# Altium PCB Monitait.PcbDoc
Units mm, origin at the board's own origin, x right, y up, seen from the top; angles counter-clockwise.
Board outline 150 x 115 mm, 2 copper layers (Top Layer, Bottom Layer); 50 components, 57 nets, 332 pads, 87 vias.
Unrouted connection lines stored in the file: 1.
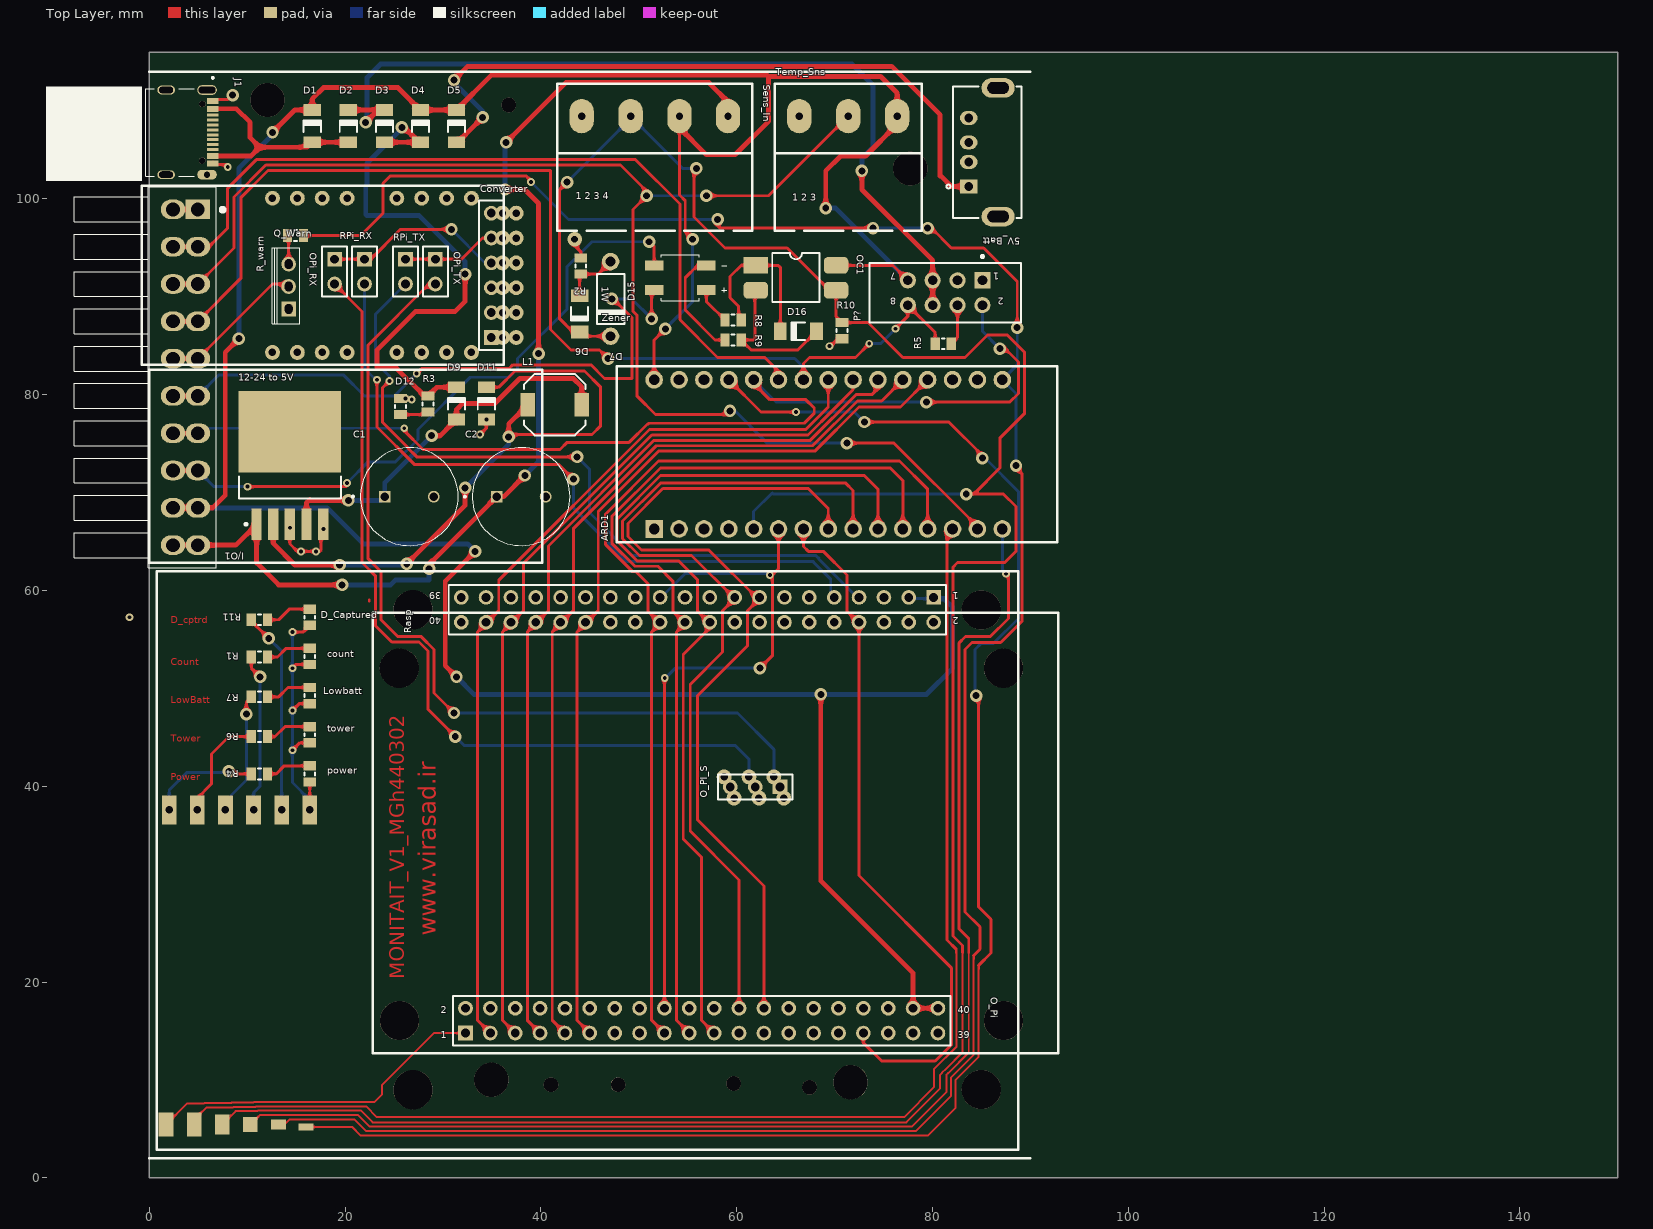
[diagram p0: Top Layer view]
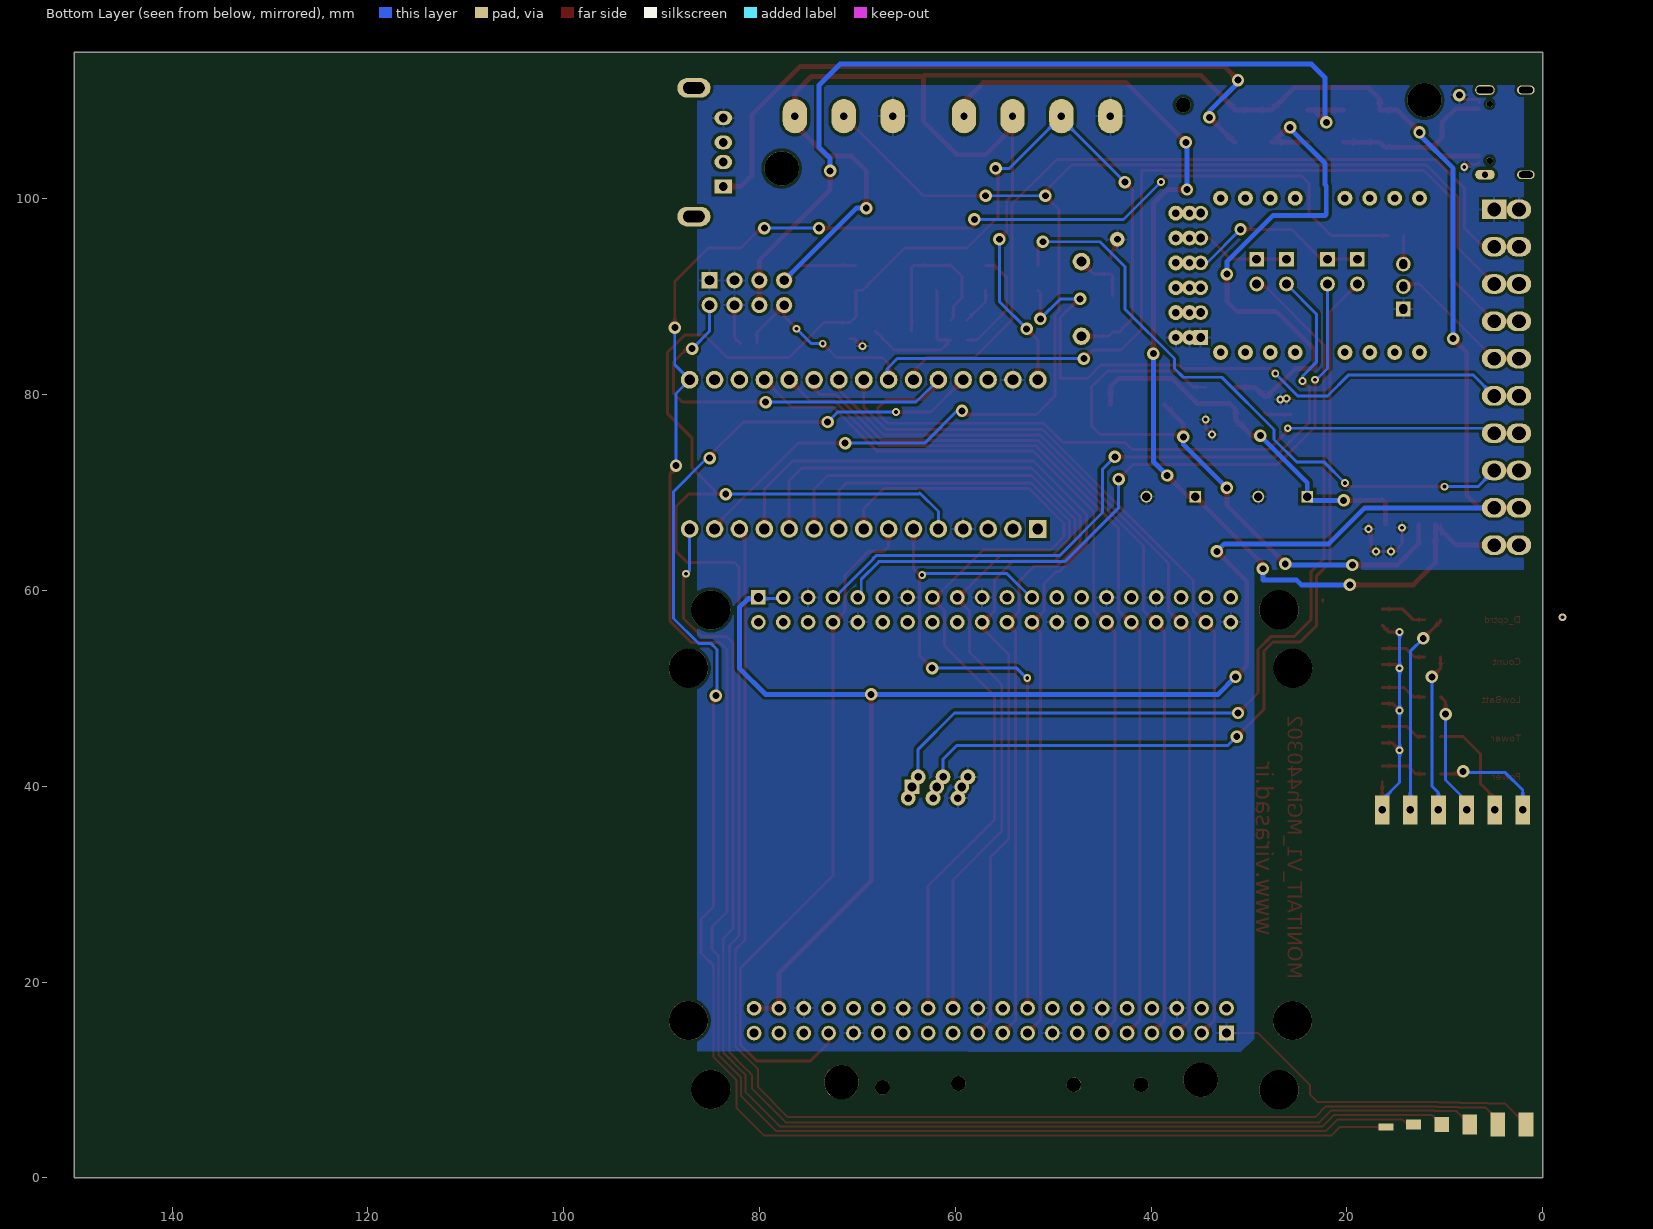
[diagram p1: Bottom Layer view, seen from below]

## Layer stack, top to bottom
Top Solder: solder mask 0.0102, Solder Resist, Dk 3.5
Top Layer: signal copper 0.0356
Dielectric 1: dielectric 0.32, FR-4, Dk 4.8
Bottom Layer: signal copper 0.0356
Bottom Solder: solder mask 0.0102, Solder Resist, Dk 3.5

## Board outline
0,0 150,0 150,115 0,115

## Design rules (kind name [scope] priority, off if disabled: settings)
Clearance [All] p1: gap=0.25
PolygonConnect [All] p1: connectstyle=Relief reliefconductorwidth=0.254 reliefentries=4 polygonreliefangle="90 Angle" airgapwidth=0.254
RoutingVias [All] p1: holewidth=0.4 width=0.8 viastyle="Through Hole" minholewidth=0.4 minwidth=0.8 maxholewidth=0.4 maxwidth=0.8
SolderMaskExpansion [All] p1: expansion=0.102
Width [All] p1: maxlimit=0.5 minlimit=0.2 preferedwidth=0.3
30 further rules are at their usual default settings.

## Components (designator, comment, footprint, x,y, rotation, side; value= is the part's Value field where it differs from the comment)
5V_Batt "CONN_USB_A" USB_A_REC_ST 83.693,104.775 r270 top
"12-24 to 5V" "LM2596S-5.0" TS5B_N 14.351,72.771 r90 top
ARD1 "Nano R3" Arduino_Nano_R3 69.342,73.914 r90 top
C1 "EEUTA1E221" CAPPRD500W60D1000H1250 26.543,69.596 r0 top
C2 "EEUFP1E681" CAPPRD500W60D1000H1600 37.973,69.596 r0 top
Converter "Header 6" HDR1X6 34.925,85.852 r90 top
count "LED3" "RES 0805 (2012X06L)" 16.383,54.101 r270 top
D1 "1N4148" LL4148 16.637,107.442 r90 top
D2 "1N4148" LL4148 20.32,107.442 r90 top
D3 "1N4148" LL4148 24.003,107.442 r90 top
D4 "1N4148" LL4148 27.686,107.442 r90 top
D5 "1N4148" LL4148 31.369,107.442 r90 top
D6 "Diode Zener" "MINI MELF" 43.942,88.265 r270 top
D7 "Diode Zener" "Diode 1W" 47.117,89.789 r270 top
D9 "1N4148" LL4148 31.369,79.121 r90 top
D11 "1N4148" LL4148 34.417,79.121 r90 top
D12 "LED3" "RES 0805 (2012X06L)" 25.654,77.978 r90 top
D15 "MB10F-13" DIOB_MB10F-13 54.229,91.948 r180 top
D16 "Diode Zener" "MINI MELF" 66.294,86.487 r180 top
D_Captured "LED3" "RES 0805 (2012X06L)" 16.383,58.101 r270 top
I/O1 "1862658" PHOENIX_1862658 4.953,98.933 r270 top
J1 "CSP-USC16-TR" VALCON_CSP-USC16-TR 6.477,106.807 r270 top
L1 "B82462G4333M000" B82462G4 41.402,78.994 r0 top
Lowbatt "LED3" "RES 0805 (2012X06L)" 16.383,50.1 r270 top
O_Pi "Header 20X2" HDR2X20 32.289,14.8 r0 top
O_PI_S "Header 3" HDR1X3 64.42,39.946 r180 top
OC1 "PC817C" SOP4 66.04,91.948 r0 top
OPi_RX "68786-202LF" HDR1X2 18.923,93.853 r270 top
OPi_TX "68786-202LF" HDR1X2 29.21,93.853 r270 top
P? "09 18 108 9421" 9181089421 81.28,90.424 r180 top
power "LED3" "RES 0805 (2012X06L)" 16.383,42.099 r270 top
Q_Warn "BD135-37-39" "TO-126 (SOT32) Gold PCB" 14.224,91.059 r90 top
R1 "3K" "RES 0805 (2012X06L)" 12.065,53.213 r180 top
R2 "10K" "RES 0805 (2012X06L)" 44.069,93.98 r270 top
R3 "3K" "RES 0805 (2012X06L)" 28.448,78.232 r90 top
R4 "3K" "RES 0805 (2012X06L)" 12.065,41.275 r180 top
R5 "10K" "RES 0805 (2012X06L)" 81.915,85.217 r180 top
R6 "3K" "RES 0805 (2012X06L)" 12.065,45.085 r180 top
R7 "3K" "RES 0805 (2012X06L)" 12.065,49.149 r180 top
R8 "3K" "RES 0805 (2012X06L)" 58.801,87.63 r0 top
R9 "3K" "RES 0805 (2012X06L)" 58.801,85.598 r0 top
R10 "10K" "RES 0805 (2012X06L)" 70.739,85.725 r90 top
R11 "3K" "RES 0805 (2012X06L)" 12.065,57.023 r180 top
R_warn "1.2K" "RES 0805 (2012X06L)" 15.748,96.266 r180 top
Rasp "Header 20X2" HDR2X20 80.109,59.307 r180 top
RPi_RX "68786-202LF" HDR1X2 21.971,93.853 r270 top
RPi_TX "68786-202LF" HDR1X2 26.162,93.853 r270 top
Sens_In "Phoenix terminal" "phoenix terminal 4" 41.656,96.774 r0 top
Temp_Sns "Phoenix terminal" "phoenix terminal 3" 63.881,96.774 r0 top
tower "LED3" "RES 0805 (2012X06L)" 16.383,46.1 r270 top

## Footprints (in the part's own frame and the unit in brackets; to place one, negate y for a bottom-side part, rotate by r counter-clockwise, add the part's x,y. Pads: shape width x height; smd on the part's side, far side on the other; paste and mask are expansions set on the pad)
9181089421 [mm] "Connector; IDC, PCB Transition - 2 Rows, Thru-Hole; 8 Position; Vertical; Pitch 2.54 mm; Body 15.46 x 6.1 x 7.45 mm (LxWxH), Kinked Contacts"
  rect 1.65x1.65 hole 1: 1(-3.81,-1.27)
  round 1.65 hole 1: 2(-3.81,1.27) 3(-1.27,-1.27) 4(-1.27,1.27) 5(1.27,-1.27) 6(1.27,1.27) 7(3.81,-1.27) 8(3.81,1.27)
  silkscreen extent -7.73,-3.82 7.73,3.05
Arduino_Nano_R3 [mm] "Arduino Nano R3, 30-Leads, Row Spacing 15.24mm, Pitch 2.54mm"
  rect 1.8x1.8 hole 1.1: 1(-7.62,17.78)
  round 1.8 hole 1.1: 2(-7.62,15.24) 3(-7.62,12.7) 4(-7.62,10.16) 5(-7.62,7.62) 6(-7.62,5.08) 7(-7.62,2.54) 8(-7.62,0) 9(-7.62,-2.54) 10(-7.62,-5.08) 11(-7.62,-7.62) 12(-7.62,-10.16) 13(-7.62,-12.7) 14(-7.62,-15.24) 15(-7.62,-17.78) 16(7.62,-17.78) 17(7.62,-15.24) 18(7.62,-12.7) 19(7.62,-10.16) 20(7.62,-7.62) 21(7.62,-5.08) 22(7.62,-2.54) 23(7.62,0) 24(7.62,2.54) 25(7.62,5.08) 26(7.62,7.62) 27(7.62,10.16) 28(7.62,12.7) 29(7.62,15.24) 30(7.62,17.78)
  silkscreen extent -9,-23.4 9,21.6, body extent -9,-23.4 9,21.6, height 12.72
B82462G4 [mm] "SM Inductor; 2 Leads; Body 6.3x6.3mm (LxW)"
  rect 1.5x2.4 smd: 1(-2.75,0) 2(2.75,0)
  silkscreen extent -3.15,-3.15 3.15,3.15, body extent -3.15,-3.15 3.15,3.15, height 3
CAPPRD500W60D1000H1250 [mm]
  round 1.2 hole 0.85: N(2.5,0)
  rect 1.2x1.2 hole 0.85: P(-2.5,0)
  silkscreen extent -5.85,-5 5,5, body extent -5,-5 5,5, height 12.5
CAPPRD500W60D1000H1600 [mm]
  round 1.2 hole 0.85: N(2.5,0)
  rect 1.2x1.2 hole 0.85: P(-2.5,0)
  silkscreen extent -5.85,-5 5,5, body extent -5,-5 5,5, height 16
DIOB_MB10F-13 [mm]
  rect 1.875x1.05 smd: 1(-2.662,1.25) 2(2.662,1.25) 3(-2.662,-1.25) 4(2.662,-1.25)
  silkscreen extent -4.75,-2.36 1.92,2.36
"Diode 1W" [mil]
  round 70 hole 40: 1(-150,0) 2(150,0)
  silkscreen extent -100,-55 100,55, body extent -166,-53 165,53, height 131
HDR1X2 [mm] "Connector; Header; 2 Position"
  rect 1.5x1.5 hole 0.9: 1(0,0)
  round 1.5 hole 0.9: 2(2.54,0)
  silkscreen extent -1.27,-1.27 3.81,1.27
HDR1X3 [mm] "Connector; Header; 3 Position"
  rect 1.5x1.5 hole 0.9: 1(0,0)
  round 1.5 hole 0.9: 2(2.54,0) 3(5.08,0)
  silkscreen extent -1.27,-1.27 6.35,1.27
HDR1X6 [mm] "Connector; Header; 6 Position"
  rect 1.5x1.5 hole 0.9: 1(0,0)
  round 1.5 hole 0.9: 2(2.54,0) 3(5.08,0) 4(7.62,0) 5(10.16,0) 6(12.7,0)
  silkscreen extent -1.27,-1.27 13.97,1.27
HDR2X20 [mm] "Connector; Header; 20x2 Position"
  rect 1.5x1.5 hole 0.9: 1(0,0)
  round 1.5 hole 0.9: 2(0,2.54) 3(2.54,0) 4(2.54,2.54) 5(5.08,0) 6(5.08,2.54) 7(7.62,0) 8(7.62,2.54) 9(10.16,0) 10(10.16,2.54) 11(12.7,0) 12(12.7,2.54) 13(15.24,0) 14(15.24,2.54) 15(17.78,0) 16(17.78,2.54) 17(20.32,0) 18(20.32,2.54) 19(22.86,0) 20(22.86,2.54) 21(25.4,0) 22(25.4,2.54) 23(27.94,0) 24(27.94,2.54) 25(30.48,0) 26(30.48,2.54) 27(33.02,0) 28(33.02,2.54) 29(35.56,0) 30(35.56,2.54) 31(38.1,0) 32(38.1,2.54) 33(40.64,0) 34(40.64,2.54) 35(43.18,0) 36(43.18,2.54) 37(45.72,0) 38(45.72,2.54) 39(48.26,0) 40(48.26,2.54)
  silkscreen extent -1.27,-1.27 49.53,3.81
LL4148 [mm] "MELF Diode, 2-Leads, Body 3.5x1.4mm, IPC Medium Density"
  rect 1.2x1.75 smd: 1(-1.65,0) 2(1.65,0)
  silkscreen extent -0.61,-0.88 0.57,0.87, body extent -1.78,-0.75 1.72,0.75, height 1.55
"MINI MELF" [mm] "MELF Diode, 2-Leads, Body 3.5x1.4mm, IPC Medium Density"
  rect 1.3x1.8 smd: 1(-1.85,0) 2(1.85,0)
  silkscreen extent -0.7,-0.87 0.7,0.88, body extent -1.75,-0.7 1.75,0.7, height 1.38
"phoenix terminal 3" [mil] "3 terminals"
  oval 98.43x137.8 hole 30: 1(98.15,460) 2(295,460) 3(491.85,460)
  silkscreen extent 0,0 591,591
"phoenix terminal 4" [mil] "4 terminals"
  oval 98.43x137.8 hole 30: 1(98.15,460) 2(295,460) 3(491.85,460) 4(686.85,460)
  silkscreen extent 0,0 785,591
PHOENIX_1862658 [mm]
  rect 2x2.5 hole 1.4: 1A(0,0)
  oval 2x2.5 hole 1.4: 1B(0,-2.54) 2A(3.81,0) 2B(3.81,-2.54) 3A(7.62,0) 3B(7.62,-2.54) 4A(11.43,0) 4B(11.43,-2.54) 5A(15.24,0) 5B(15.24,-2.54) 6A(19.05,0) 6B(19.05,-2.54) 7A(22.86,0) 7B(22.86,-2.54) 8A(26.67,0) 8B(26.67,-2.54) 9A(30.48,0) 9B(30.48,-2.54) 10A(34.29,0) 10B(34.29,-2.54)
  silkscreen extent -2.3,-12.64 36.59,2.74
"RES 0805 (2012X06L)" [mm] "Chip Resistor, 2-Leads, Body 2.0x1.3mm, IPC High Density _ (0.100 W)"
  rect 0.95x1.3 smd: 1(0,0) 2(1.65,0)
  silkscreen extent 0.67,-0.55 0.97,0.55, body extent -0.19,-0.63 1.84,0.64, height 0.6
SOP4 [mm]
  rect 2.5x1.7 smd: 1(-4.1,1.27)
  rrect50% 2.5x1.7 smd: 2(-4.1,-1.27) 3(4.1,-1.27) 4(4.1,1.27)
  silkscreen extent -2.41,-2.48 2.42,2.52, body extent -4.99,-2.29 4.88,2.29, height 3.78
"TO-126 (SOT32) Gold PCB" [mm]
  rect 1.5x1.5 hole 0.8 slot 1 at 0 deg: 1(-2.29,0)
  round 1.5 hole 0.8 slot 1 at 0 deg: 2(0,0) 3(2.29,0)
  silkscreen extent -3.81,-1.14 3.94,1.65, body extent -3.8,-1 3.8,1.55, height 13.19
TS5B_N [mm] "D2-PAK, 6-Leads, Body 8.6x10.2mm, Pitch 1.7mm, Lead Span 14.1mm, IPC Medium Density"
  rect 3.2x1.05 smd: 1(-6,3.4) 2(-6,1.7) 3(-6,0) 4(-6,-1.7) 5(-6,-3.4)
  rect 8.3x10.45 smd: 6(3.45,0)
  silkscreen extent -6.12,-5.2 -1.1,5.2, body extent -3.35,-5.2 6.05,5.2, height 4.65
USB_A_REC_ST [mm] "CONN, USB A, Receptacle, STRAIGHT, THD"
  rect 1.4x1.8 hole 0.9: 1(3.5,0)
  oval 1.4x1.8 hole 0.9: 2(1,0) 3(-1,0) 4(-3.5,0)
  oval 2x3.4 hole 1.2 slot 2.2 at 90 deg: SH1(-6.57,3) SH2(6.57,3)
  silkscreen extent -6.7,-2.27 6.7,5.4, body extent -7.99,-2.37 7.99,5.27, height 14
VALCON_CSP-USC16-TR [mm]
  rect 0.3x1.14 smd: A1(-3.35,0) A4(-2.55,0) A5(-1.25,0) A6(-0.25,0) A7(0.25,0) A8(1.25,0) A9(2.55,0) A12(3.35,0) B1(3.05,0) B4(2.25,0) B5(1.75,0) B6(0.75,0) B7(-0.75,0) B8(-1.75,0) B9(-2.25,0) B12(-3.05,0)
  oval 1x2 hole 0.65 slot 1.72 at 90 deg: S1(-4.325,-0.59)
  oval 1x2 hole 0.65: S2(4.325,-0.59)
  oval 0.9x1.8 hole 0.65 slot 1.4 at 90 deg: S3(-4.325,-4.77) S4(4.325,-4.77)
  round 0.65 hole 0.65 unplated: ""(-2.89,-1.07) ""(2.89,-1.07)
  silkscreen extent -5.67,-6.86 4.47,0.1, body extent -4.47,-6.28 4.47,1.47, height 3.26

## Part data
5V_Batt: library part USB_A_REC_ST, "CONN, USB, A, RECEPTACLE, STRAIGHT, THD"
"12-24 to 5V": "SIMPLE SWITCHER® Power Converter 150 KHz 3A Step-Down Voltage Regulator, 5-pin TO-263"
ARD1: library part "Arduino Nano R3", "Arduino Nano R3"
C1: "CAP ALUM 220UF 20% 25V RADIAL"
C2: "CAP ALUM 680UF 20% 25V RADIAL"
Converter: "Header, 6-Pin"
count D12 D_Captured Lowbatt power tower: "Typical BLUE SiC LED"
D1 D2 D3 D4 D5 D9 D11: library part "Diode 1N4148", "High Conductance Fast Diode"
D6 D7 D16: "Zener Diode"
D15: "Bridge Rectifier Single Phase Standard 1kV Surface Mount MBF"
I/O1: "10 Position Terminal Block Header, Female Sockets 0.150 _3.81mm_ 90A°, Right Angle Through Hole"
J1: "CSP-USC16-TR Valcon USB Type C Surface Mount PCB Socket"
L1: "SMT Power Inductor; Size 6.3×6.3×3.0mm, ±20% Tolerance, 33uH, 0.85A"
O_Pi Rasp: "Header, 20-Pin, Dual row"
O_PI_S: "Header, 3-Pin"
OC1: "Optoisolator Transistor Output 5000Vrms 1 Channel 4-DIP"
OPi_RX OPi_TX RPi_RX RPi_TX: "Low Profile Jumper , Single Row, 2 Positions, 2.54mm (0.100in) Pitch"
P?: "Flat Cable Connector (IDC), PCB Transition Connector, 2 Rows, Kinked Solder Pin, 8 Contacts"
Q_Warn: "NPN Transistor"
R1 R2 R3 R4 R5 R6 R7 R8 R9 R10 R11 R_warn: library part "Resistor SMD", "Resistor"
Sens_In: library part "Phoenix terminal 4", "Terminal 4 Pin"
Temp_Sns: library part "Phoenix terminal 3", "Terminal 3 Pin"

## Free pads (board coordinates)
  round 4 hole 4: 2(25.527,52.07) 2(25.558,16.07) 2(87.249,16.07) 2(87.249,52.07) 3(26.924,9.017) 3(26.924,58.039) 3(84.974,9.028) 3(84.974,58.028)
  round 1.524 hole 0.762: 4(61.245,40.962) 4(62.261,38.803) 5(63.785,40.962) 5(64.801,38.803) 6(58.705,40.962) 6(59.721,38.803) 8(36.068,98.552) 9(36.068,96.012) 10(36.068,93.472) 11(36.068,90.932) 12(36.068,88.392) 13(36.068,85.852) 14(37.465,98.552) 15(37.465,96.012) 16(37.465,93.472) 17(37.465,90.932) 18(37.465,88.392) 19(37.465,85.852) 22(32.893,100.076) 23(30.353,100.076) 24(27.813,100.076) 25(25.273,100.076) 27(20.193,100.076) 28(17.653,100.076) 29(15.113,100.076) 30(12.573,100.076) 31(32.893,84.328) 32(30.353,84.328) 34(27.813,84.328) 35(25.273,84.328) 37(20.193,84.328) 38(17.653,84.328) 39(15.113,84.328) 40(12.573,84.328)
  round 3.5 hole 3.5: 7(12.065,110.109) 7(34.925,10.033) 7(71.628,9.779) 7(77.724,103.124)
  round 1.5 hole 1.5: 20(36.703,109.601) 20(41.021,9.525) 20(47.879,9.525) 20(59.69,9.652) 20(67.437,9.271)
  rect 1.5x2.5 all layers, no hole: 21(1.702,5.461) 21(4.572,5.461)
  rect 1.5x3 hole 0.762: 21(2.032,37.592) 21(4.902,37.592) 21(7.772,37.592) 21(10.643,37.592) 21(13.513,37.592) 21(16.383,37.592)
  rect 1.5x2 all layers, no hole: 21(7.442,5.461)
  rect 1.5x1.5 all layers, no hole: 21(10.312,5.461)
  rect 1.5x1 all layers, no hole: 21(13.183,5.461)
  rect 1.5x0.7 all layers, no hole: 21(16.002,5.207)

## Via types
v1: diameter 1.27, hole 0.711, Top Layer to Bottom Layer, 58 vias
v2: diameter 0.8, hole 0.4, Top Layer to Bottom Layer, 28 vias
v3: diameter 1.5, hole 0.7, Top Layer to Bottom Layer, 1 vias

## Nets (pads, with @x,y where several pads share a name; then routed paths per layer and width w, separated by ;. In a path a pad name is that pad's centre, name@x,y a point inside that pad or via, vN(x,y) a via of type N, cw(c..) or ccw(c..) an arc to the next point about the centre after c; other vN are vias at no path point)
3V3: ARD1.17
5V: ARD1.30 D1.2 D4.2 D5.2 I/O1.9A I/O1.9B O_Pi.38 O_Pi.40 OC1.4 P?.7 Rasp.1 Rasp.3 Sens_In.3 Temp_Sns.3 | length 342.3
  Top Layer w0.3: ARD1.30 51.562,85.598 v1(52.705,86.741) ; Sens_In.3@54.149,107.268 54.149,100.41 54.737,99.822 54.737,96.647 v1(55.499,95.885) ; OC1.4 75.946,93.218 P?.7
  Top Layer w0.5: I/O1.9B I/O1.9A 6.477,68.453 7.747,69.723 7.747,84.328 v1(9.144,85.725) ; v1(12.573,106.807) 14.858,109.092 D1.2 16.637,110.236 17.78,111.379 25.399,111.379 D4.2 D5.2 34.914,112.637 63.131,112.637 63.246,112.522 ; v1(31.369,51.181) 30.226,52.324 30.226,60.96 v1(33.274,64.008) ; Sens_In.3 54.149,107.268 56.896,104.521 59.817,104.521 63.246,107.95 63.246,112.522 ; v1(68.58,49.403) 68.58,30.353 78.009,20.924 O_Pi.38 O_Pi.40 ; v1(69.088,99.06) 69.088,102.87 70.612,104.394 73.152,104.394 76.374,107.616 Temp_Sns.3 76.374,110.824 74.676,112.522 63.246,112.522
  Bottom Layer w0.3: v1(52.705,86.741) 55.499,89.535 v1(55.499,95.885) ; Rasp.3@77.569,59.18 Rasp.1@80.109,59.18
  Bottom Layer w0.5: I/O1.9A 18.161,68.453 21.844,64.77 32.512,64.77 v1(33.274,64.008) ; v1(9.144,85.725) 9.144,103.124 12.573,106.553 v1(12.573,106.807) ; v1(31.369,51.181) 33.147,49.403 79.375,49.403 82.042,52.07 82.042,58.293 81.153,59.182 80.234,59.182 Rasp.1 ; v1(69.088,99.06) 70.104,99.06 P?.7
5V_REGD: D3.1 D4.1 D9.2 R3.2 | length 55.4
  Top Layer w0.5: D3.1 D4.1@27.558,105.792 ; v1(25.781,107.315) 25.908,107.442 D4.1@27.558,105.792 ; D4.1 D4.1@27.558,105.792 ; D9.2 29.337,80.771 R3.2 28.068,79.882 25.273,82.677 23.368,82.677 23.241,82.804 23.241,84.566 27.194,88.519 31.242,88.519 32.258,89.535 v1(32.258,92.329)
  Bottom Layer w0.5: v1(25.781,107.315) 25.781,107.188 22.225,103.632 22.225,101.473 22.098,101.346 22.098,98.425 22.225,98.298 27.559,98.298 32.258,93.599 v1(32.258,92.329)
12-24V: "12-24 to 5V.1" C2.P I/O1.10A I/O1.10B Sens_In.4 | length 112.5
  Top Layer w0.3: I/O1.10B I/O1.10A
  Top Layer w0.5: I/O1.10A 8.823,64.643 10.951,66.771 10.951,62.836 13.208,60.579 v1(19.685,60.579) ; v1(28.575,62.23) 28.575,62.698 C2.P 36.195,69.596 v1(38.354,71.755) ; v1(36.322,100.965) 38.354,100.965 39.751,99.568 v1(39.751,84.201) ; v1(36.449,105.791) 42.545,111.887 57.15,111.887 59.102,109.935 Sens_In.4
  Bottom Layer w0.5: v1(19.685,60.579) 24.638,60.579 25.146,61.087 28.575,61.087 v1(28.575,62.23) ; v1(36.322,100.965) 36.322,105.283 36.703,105.664 36.322,105.664 v1(36.449,105.791) ; v1(38.354,71.755) 39.751,73.152 v1(39.751,84.201)
A0: ARD1.19 O_Pi.11 Rasp.30 | length 93.9
  Top Layer w0.3: O_Pi.11 43.688,16.101 43.688,55.779 44.549,56.64 45.847,57.938 45.847,68.072 52.013,74.238 67.974,74.238 72.496,78.761 76.729,78.761 ARD1.19
A1: ARD1.20 O_Pi.9 Rasp.32 | length 92.9
  Top Layer w0.3: O_Pi.9 41.148,16.101 41.148,55.779 42.009,56.64 43.307,57.938 43.307,66.315 51.784,74.792 67.744,74.792 72.327,79.375 74.803,79.375 ARD1.20
A2: ARD1.21 O_Pi.7 Rasp.34 | length 92.4
  Top Layer w0.3: O_Pi.7 38.608,16.101 38.608,55.779 39.469,56.64 40.767,57.938 40.767,64.559 51.554,75.346 67.515,75.346 72.179,80.01 73.787,80.01 74.422,80.645 ARD1.21
A3: ARD1.22 O_Pi.5 Rasp.36 | length 91.5
  Top Layer w0.3: O_Pi.5 36.068,16.101 36.068,55.779 36.929,56.64 38.227,57.938 38.227,62.802 51.325,75.9 67.285,75.9 69.896,78.511 69.896,78.532 71.882,80.518 ARD1.22
A4: ARD1.23 O_Pi.3 Rasp.38 | length 91.5
  Top Layer w0.3: O_Pi.3 33.528,16.101 33.528,55.779 34.389,56.64 35.687,57.938 35.687,61.046 51.095,76.454 67.056,76.454 69.342,78.74 ARD1.23
A5: ARD1.24 I/O1.4A I/O1.4B P?.8 R5.2 | length 116.5
  Top Layer w0.3: I/O1.4B I/O1.4A 9.342,91.892 9.342,100.132 12.124,102.913 40.978,102.913 40.978,86.657 43.053,84.582 45.974,84.582 v1(46.863,83.693) ; ARD1.24 66.802,83.185 67.437,83.82 72.136,83.82 v2(73.533,85.217) ; v2(76.2,86.741) 77.47,88.011 P?.8 ; 77.47,88.012 P?.8 ; R5.2 80.265,86.359 P?.8
  Bottom Layer w0.3: v1(46.863,83.693) 65.913,83.693 66.929,82.677 66.929,81.661 ARD1.24 ; v2(73.533,85.217) 74.676,85.217 v2(76.2,86.741)
A6: ARD1.25 I/O1.2A I/O1.2B | length 84.7
  Top Layer w0.3: I/O1.2B I/O1.2A 6.096,95.123 8.001,97.028 8.001,101.092 10.922,104.013 49.657,104.013 54.187,99.483 54.187,87.672 58.039,83.82 62.865,83.82 64.262,82.423 ARD1.25
A7: ARD1.26 I/O1.7A I/O1.7B P?.2 | length 115.8
  Top Layer w0.3: I/O1.7B I/O1.7A ; v2(26.035,76.581) 26.035,76.327 27.94,74.422 41.952,74.422 42.672,75.142 49.005,75.142 50.867,77.004 50.969,77.004 51.054,77.089 66.887,77.089 67.911,78.113 67.911,78.647 67.056,79.502 63.373,79.502 61.722,81.153 ARD1.26 ; v1(79.375,79.248) 87.884,79.248 88.773,80.137 88.773,83.354 87.291,84.836 86.995,84.836 86.995,84.709 v1(86.868,84.709)
  Bottom Layer w0.3: I/O1.7A 5.461,76.581 v2(26.035,76.581) ; ARD1.26 64.008,79.248 v1(79.375,79.248) ; P?.2 85.09,86.487 v1(86.868,84.709)
AR'_5V: pad.21@2.032,37.592 R4.2 | length 11.3
  Top Layer w0.3: v1(8.128,41.529) 8.382,41.529 8.636,41.275 R4.2
  Bottom Layer w0.3: pad.21@2.032,37.592 2.032,39.624 3.81,41.402 7.747,41.402 7.874,41.529 v1(8.128,41.529)
AR_5V: ARD1.27 pad.21@16.002,5.207 | length 170
  Top Layer w0.2: pad.21@16.002,5.207 20.701,5.207 21.576,4.332 79.516,4.332 82.352,7.168 82.352,10.033 84.709,12.39 84.709,21.717
  Top Layer w0.3: ARD1.27 62.484,78.232 v2(66.04,78.232) ; v1(73.025,77.216) 81.661,77.216 85.09,73.787 v1(85.09,73.533) ; 84.709,21.717 85.979,22.987 85.979,26.416 84.709,27.686 v1@84.709,49.276
  Bottom Layer w0.3: v2(66.04,78.232) 72.009,78.232 v1(73.025,77.216) ; v1(84.455,49.276) 84.328,49.403 84.328,53.975 84.963,54.61 86.233,54.61 88.773,57.15 88.773,70.104 85.344,73.533 v1(85.09,73.533)
BATT_5V: 5V_Batt.1 D5.1 | length 70.6
  Top Layer w0.5: v1(31.115,112.141) 32.512,113.538 75.819,113.538 80.772,108.585 80.772,102.362 80.828,102.362 81.915,101.275 5V_Batt.1 ; D5.1 31.497,105.792 v1(34.036,108.331)
  Bottom Layer w0.5: v1(31.115,112.141) 31.115,111.887 34.036,108.966 v1(34.036,108.331)
D2: ARD1.5 D6.2 D7.2 OC1.3 pad.21@7.442,5.461 R10.2 Sens_In.2 | length 275.8
  Top Layer w0.2: pad.21@7.442,5.461 8.801,6.82 11.035,6.82 11.085,6.87 21.624,6.87 22.806,5.688 77.316,5.688 80.772,9.144 80.772,10.541 80.951,10.72 80.951,10.73 81.397,11.176 81.407,11.176 83.058,12.827 83.058,23.189
  Top Layer w0.3: v1(42.672,101.727) 41.91,100.965 41.91,87.757 43.252,86.415 D6.2 44.378,85.979 D7.2 ; v1(55.88,103.124) 55.626,103.124 55.626,98.171 58.801,94.996 65.151,94.996 69.469,90.678 OC1.3 70.14,87.974 R10.2 73.407,87.375 76.962,83.82 83.312,83.82 85.598,86.106 87.63,86.106 89.408,84.328 89.408,78.105 86.868,75.565 86.868,72.517 84.201,69.85 ; 83.058,23.189 83.058,23.749 82.077,24.73 82.077,62.392 82.55,62.865 87.376,62.865 88.519,64.008 88.519,68.58 87.249,69.85 84.201,69.85 ; v1(83.439,69.85) 84.201,69.85
  Bottom Layer w0.3: v1(42.672,101.727) 49.149,108.204 Sens_In.2 54.483,103.124 v1(55.88,103.124) ; ARD1.5 61.722,68.072 63.627,69.977 63.754,69.85 v1(83.439,69.85) v1@83.693,70.104
D3: ARD1.6 O_Pi.18 Rasp.23 | length 71.2
  Top Layer w0.3: O_Pi.18 52.609,51.085 v2(52.64,51.054) ; v1(62.357,52.07) 63.627,53.34 63.627,61.595 64.262,62.23 ARD1.6
  Bottom Layer w0.3: Rasp.23@52.169,59.18 54.711,61.722 63.246,61.722 v2(63.373,61.595) ; v2(52.64,51.054) 52.705,51.054 53.721,52.07 v1(62.357,52.07)
D4: ARD1.7 O_Pi.33 Rasp.8 | length 71.3
  Top Layer w0.3: ARD1.7 66.802,64.516 67.31,64.008 68.834,64.008 71.247,61.595 71.247,57.882 72.489,56.64 72.489,30.889 81.915,21.463 81.915,13.589 80.264,11.938 74.803,11.938 72.929,13.812 O_Pi.33
D5: ARD1.8 O_Pi.26 Rasp.15 | length 89.5
  Top Layer w0.3: O_Pi.26 62.769,29.814 56.007,36.576 56.007,49.276 61.087,54.356 61.087,57.938 62.329,59.18 62.105,59.18 57.139,64.146 50.281,64.146 48.895,65.532 48.895,66.865 52.448,70.418 67.31,70.418 69.342,68.386 ARD1.8
D6: ARD1.9 O_Pi.24 Rasp.17 | length 91
  Top Layer w0.3: O_Pi.24 60.229,30.449 55.245,35.433 55.245,50.419 58.547,53.721 58.547,57.938 59.789,59.18 55.377,63.592 50.052,63.592 48.341,65.303 48.341,67.094 52.218,70.972 71.141,70.972 71.882,70.231 ARD1.9
D7: ARD1.10 O_Pi.21 Rasp.20 | length 94.5
  Top Layer w0.3: O_Pi.21 56.388,16.101 56.388,32.766 54.531,34.623 54.531,53.469 57.249,56.187 57.249,56.64 56.007,57.882 56.007,61.087 54.056,63.038 49.822,63.038 47.787,65.073 47.787,67.324 52.208,71.744 73.025,71.744 74.422,70.347 ARD1.10
D8: ARD1.11 O_Pi.19 Rasp.22 | length 95.4
  Top Layer w0.3: O_Pi.19 53.848,16.101 53.848,55.779 54.709,56.64 53.467,57.882 53.467,60.96 51.943,62.484 49.593,62.484 47.233,64.844 47.233,67.553 52.208,72.528 75.681,72.528 76.962,71.247 ARD1.11
D9: ARD1.12 O_Pi.17 Rasp.24 | length 96.8
  Top Layer w0.3: O_Pi.17 51.308,16.101 51.308,55.779 52.169,56.64 50.927,57.882 50.927,60.706 49.703,61.93 49.363,61.93 46.609,64.684 46.609,67.818 52.017,73.226 76.634,73.226 79.502,70.358 ARD1.12
D10: ARD1.13 pad.21@4.572,5.461 | length 136.9
  Top Layer w0.2: pad.21@4.572,5.461 4.572,5.95 5.842,7.22 8.565,7.22 8.615,7.27 10.849,7.27 10.899,7.32 22.148,7.32 23.245,6.223 77.089,6.223 80.137,9.271 80.137,11.095 82.421,13.379 82.421,23.368
  Top Layer w0.3: ARD1.13 81.477,65.729 81.477,24.312 82.421,23.368
D11: ARD1.14 I/O1.3A I/O1.3B Temp_Sns.2 | length 144.7
  Top Layer w0.3: I/O1.3B I/O1.3A 8.636,94.996 8.636,100.203 11.896,103.463 48.133,103.463 50.927,100.669 50.927,100.33 v1(50.8,100.33) 49.403,98.933 49.403,88.535 49.826,88.112 49.826,79.841 51.689,77.978 59.309,77.978 v1(59.309,78.359) ; v1(56.896,100.33) 63.246,100.33 Temp_Sns.2 ; v1(71.247,75.057) 76.073,75.057 84.582,66.548 ARD1.14
  Bottom Layer w0.3: v1(50.8,100.33) v1(56.896,100.33) ; v1(59.309,78.359) 59.563,78.613 63.119,75.057 v1(71.247,75.057)
D12: ARD1.15 pad.21@10.312,5.461 | length 136.3
  Top Layer w0.2: pad.21@10.312,5.461 11.271,6.42 21.336,6.42 22.518,5.238 77.882,5.238 81.407,8.763 81.407,10.541 81.586,10.72 81.596,10.72 83.693,12.817 83.693,23.368
  Top Layer w0.3: 83.693,23.368 83.693,24.468 82.684,25.477 82.684,26.282 82.677,26.289 82.677,54.61 83.362,55.295 85.902,55.295 87.757,57.15 87.757,61.722 v2(87.503,61.722)
  Bottom Layer w0.3: ARD1.15 87.122,62.103 v2(87.503,61.722)
D13: ARD1.16 pad.21@13.183,5.461 R_warn.1 | length 243.6
  Top Layer w0.2: pad.21@13.183,5.461 13.792,5.461 14.301,5.97 20.955,5.97 22.137,4.788 78.263,4.788 81.896,8.421 81.896,10.268 84.201,12.573 84.201,22.733
  Top Layer w0.3: R_warn.1 21.59,96.266 23.876,98.552 23.876,101.601 24.638,102.363 38.48,102.363 38.989,101.854 v2(38.989,101.727) ; v1(58.039,97.917) 58.039,97.282 58.293,97.028 v1(73.914,97.028) ; v1(79.502,97.028) 79.883,97.028 81.915,94.996 85.217,94.996 88.646,91.567 v1(88.646,86.868) ; 84.201,22.733 84.836,23.368 84.836,25.654 83.312,27.178 83.312,53.975 84.032,54.695 86.953,54.695 89.154,56.896 89.154,71.882 88.519,72.517 v1(88.519,72.771)
  Bottom Layer w0.3: v2(38.989,101.727) 42.799,97.917 v1(58.039,97.917) ; v1(73.914,97.028) v1(79.502,97.028) ; v1(88.519,72.771) 88.519,80.137 ARD1.16 88.646,83.058 v1(88.646,86.868)
D'2: pad.21@10.643,37.592 R1.2 | length 16.3
  Top Layer w0.3: R1.2 10.415,52.069 v1(11.303,51.181)
  Bottom Layer w0.3: pad.21@10.643,37.592 10.643,39.345 11.303,40.005 v1(11.303,51.181)
D'10: pad.21@13.513,37.592 R11.2 | length 20.7
  Top Layer w0.3: R11.2 10.415,56.895 v1(12.192,55.118)
  Bottom Layer w0.3: v1(12.192,55.118) 13.513,53.797 pad.21@13.513,37.592
D'12: pad.21@7.772,37.592 R7.2 | length 12.7
  Top Layer w0.3: v1(9.906,47.371) 9.906,48.64 R7.2
  Bottom Layer w0.3: pad.21@7.772,37.592 7.772,38.506 9.906,40.64 v1(9.906,47.371)
D'13: pad.21@4.902,37.592 R6.2 | length 11.1
  Top Layer w0.3: pad.21@4.902,37.592 4.902,38.811 6.35,40.259 6.35,43.307 8.128,45.085 R6.2
GND: 5V_Batt.4 "12-24 to 5V.3" "12-24 to 5V.5" ARD1.4 ARD1.29 C1.N C2.N Converter.1 count.2 D11.1 D12.2 D_Captured.2 I/O1.1A I/O1.1B J1.A1 J1.A12 J1.B1 J1.B12 Lowbatt.2 O_Pi.1 O_Pi.6 O_Pi.12 O_Pi.15 O_Pi.22 O_Pi.28 O_Pi.31 O_Pi.36 O_PI_S.3 P?.1 P?.3 P?.4 pad.6 pad.13 pad.19 pad.21@1.702,5.461 pad.21@16.383,37.592 power.2 Q_Warn.1 R2.1 R5.1 R10.1 Rasp.5 Rasp.10 Rasp.13 Rasp.19 Rasp.26 Rasp.29 Rasp.33 Rasp.40 Sens_In.1 Temp_Sns.1 tower.2 | length 90.8
  Top Layer w0.2: pad.21@1.702,5.461 3.861,7.62 5.606,7.62 5.656,7.67 8.378,7.67 8.428,7.72 10.662,7.72 10.712,7.77 23.01,7.77 23.749,8.509 23.749,9.49 29.059,14.8 O_Pi.1
  Top Layer w0.3: I/O1.1B I/O1.1A ; J1.B1 6.729,103.505 7.747,103.505 v2(8.001,103.251) ; J1.B12 J1.A1 8.049,110.157 v1(8.509,110.617) ; v2@14.351,66.771 14.351,64.77 15.113,64.008 17.399,64.008 17.526,64.135 17.526,66.546 17.751,66.771 ; v2(14.605,43.688) 15.367,44.45 tower.2 ; v2(14.605,47.752) 15.303,48.45 Lowbatt.2 ; v2(14.605,52.07) 14.986,52.451 count.2 ; v2(14.605,55.753) 15.684,55.753 D_Captured.2 ; pad.21@16.383,37.592 power.2 ; D12.2 26.671,79.628 v2(26.797,79.502) ; v2(33.782,75.946) 34.417,76.581 v2(34.417,77.47) ; v3(43.434,95.885) 43.434,95.25 44.069,94.615 R2.1 ; v2@69.596,84.963 70.358,85.725 R10.1 ; R5.1 82.55,85.852 P?.4
  Bottom Layer w0.3: v2(14.605,55.753) v2(14.605,52.07) v2(14.605,47.752) v2(14.605,43.688) 14.605,40.386 16.383,38.608 pad.21@16.383,37.592
  other v2: 15.494,64.008 17.018,64.008 17.78,66.294 14.351,66.421 26.162,79.629 69.469,84.963
"Net12-24 to 5V_2": "12-24 to 5V.2" D11.2 L1.1 | length 64.8
  Top Layer w0.3: D11.2 35.686,80.771 37.338,82.423 44.45,82.423 46.101,80.772 46.101,76.835 45.212,75.946 36.957,75.946 v1(36.703,75.692)
  Top Layer w0.5: 12.651,66.771 12.651,64.819 14.859,62.611 v1(19.431,62.611) ; v1(26.289,62.738) 32.258,68.707 v1(32.258,70.485) ; v1(36.703,75.692) 36.703,77.045 L1.1
  Bottom Layer w0.5: v1(19.431,62.611) 26.162,62.611 v1(26.289,62.738) ; v1(32.258,70.485) 36.703,74.93 v1(36.703,75.692)
"Net12-24 to 5V_4": "12-24 to 5V.4" C1.P D9.1 L1.2 | length 39.2
  Top Layer w0.5: 16.051,66.771 16.051,68.961 16.383,69.293 16.461,69.215 v1(20.32,69.215) ; v1(28.829,75.819) 29.717,75.819 D9.1 31.369,78.486 32.004,79.121 35.306,79.121 37.846,81.661 43.307,81.661 44.152,80.816 L1.2
  Bottom Layer w0.5: v1(20.32,69.215) 23.662,69.215 C1.P 24.043,71.033 v1(28.829,75.819)
Netcount_1: count.1 R1.1 | length 4.7
  Top Layer w0.3: R1.1 13.081,53.213 13.969,54.101 count.1
NetD6_1: D6.1 D7.1 R2.2 | length 5.8
  Top Layer w0.3: D6.1 43.942,92.203 R2.2 45.848,92.33 D7.1
NetD12_1: D12.1 R3.1 | length 2.9
  Top Layer w0.3: D12.1 28.194,77.978 R3.1
NetD15_1: D15.1 R8.1 | length 3.9
  Top Layer w0.3: D15.1 56.891,89.54 R8.1
NetD15_3: D15.3 R9.1 | length 11.3
  Top Layer w0.3: D15.3 55.987,93.198 54.737,91.948 54.737,88.646 57.785,85.598 R9.1
NetD16_1: D16.1 OC1.2 R9.2 | length 15.3
  Top Layer w0.3: OC1.2 61.849,90.587 61.849,85.725 61.722,85.598 R9.2 61.467,84.582 66.239,84.582 D16.1
NetD16_2: D16.2 OC1.1 R8.2 | length 17.1
  Top Layer w0.3: R8.2 60.198,87.883 60.198,89.027 59.309,89.916 59.309,92.075 60.452,93.218 OC1.1 64.245,93.218 64.444,93.019 D16.2
NetD_Captured_1: D_Captured.1 R11.1 | length 4.8
  Top Layer w0.3: R11.1 13.208,57.023 14.286,58.101 D_Captured.1
NetI/O1_5A: I/O1.5A I/O1.5B Q_Warn.2 | length 15.1
  Top Layer w0.3: I/O1.5B I/O1.5A 12.573,91.313 13.97,91.313 Q_Warn.2
NetLowbatt_1: Lowbatt.1 R7.1 | length 4.7
  Top Layer w0.3: R7.1 13.208,49.149 14.159,50.1 Lowbatt.1
Netpower_1: power.1 R4.1 | length 4.7
  Top Layer w0.3: R4.1 12.954,41.275 13.778,42.099 power.1
NetQ_Warn_3: Q_Warn.3 R_warn.2 | length 3
  Top Layer w0.3: R_warn.2 14.224,96.14 Q_Warn.3
NetR6_1: R6.1 tower.1 | length 4.7
  Top Layer w0.3: R6.1 12.827,45.085 13.842,46.1 tower.1
OPI_RX: O_PI_S.2 OPi_RX.2 pad.4 | length 85.7
  Top Layer w0.3: OPi_RX.2 21.717,88.519 21.717,62.865 23.114,61.468 23.114,56.388 24.765,54.737 27.543,54.737 28.448,53.832 28.448,47.879 v1(31.242,45.085)
  Bottom Layer w0.3: v1(31.242,45.085) 32.131,44.196 59.817,44.196 61.245,42.768 pad.4@61.245,40.962
OPI_TX: O_PI_S.1 OPi_TX.2 pad.5 | length 89.1
  Top Layer w0.3: OPi_TX.2 28.575,91.313 22.352,85.09 22.352,63.246 23.668,61.93 23.668,57.023 25.4,55.291 27.767,55.291 29.083,53.975 29.083,49.53 v1(31.115,47.498)
  Bottom Layer w0.3: v1(31.115,47.498) 60.071,47.498 63.785,43.784 pad.5@63.785,40.962
RP_RX: Rasp.9 RPi_RX.2 | length 72
  Top Layer w0.3: v2(23.241,81.534) 23.241,76.708 27.051,72.898 41.783,72.898 v1(43.307,71.374)
  Bottom Layer w0.3: RPi_RX.2 21.971,82.677 23.241,81.407 v2(23.241,81.534) ; v1(43.307,71.374) 43.307,68.453 48.768,62.992 67.818,62.992 67.818,62.927 69.596,61.149 69.596,59.533 Rasp.9@69.949,59.18
RP_TX: Rasp.7 RPi_TX.2 | length 75.1
  Top Layer w0.3: v2(24.511,81.407) 23.795,80.691 23.795,77.216 26.416,74.595 26.416,74.549 27.305,73.66 v1(43.688,73.66)
  Bottom Layer w0.3: v2(24.511,81.407) 24.511,81.915 23.114,83.312 23.114,88.265 RPi_TX.2 ; v1(43.688,73.66) 44.958,72.39 44.958,67.966 49.332,63.592 68.067,63.592 68.418,63.241 68.418,63.175 72.413,59.18 Rasp.7@72.489,59.18
RX: Converter.5 OPi_TX.1 pad.9 pad.15 RPi_TX.1 | length 9.7
  Top Layer w0.3: RPi_TX.1 OPi_TX.1 31.877,93.853 34.036,96.012 Converter.5
SENSOR+: D15.2 I/O1.6A I/O1.6B | length 67.5
  Top Layer w0.3: I/O1.6B I/O1.6A ; v2(27.305,82.169) 27.813,82.677 36.743,82.677 37.124,83.058 45.101,83.058 46.49,81.669 49.276,81.669 49.276,87.884 47.498,89.662 47.371,89.662 v1(47.244,89.789) ; v1(51.308,87.757) 51.308,90.439 D15.2
  Bottom Layer w0.3: I/O1.6A 7.112,82.042 19.812,82.042 21.971,79.883 25.019,79.883 v2(27.305,82.169) ; v1(47.244,89.789) 49.276,89.789 v1(51.308,87.757)
SENSOR-: D15.4 I/O1.8A I/O1.8B | length 66.2
  Top Layer w0.3: I/O1.8B I/O1.8A ; v2(10.033,70.612) 20.066,70.612 20.193,70.739 v2(20.193,70.993) ; v1(51.054,95.631) 51.567,95.118 D15.4
  Bottom Layer w0.3: I/O1.8A 6.604,70.612 v2(10.033,70.612) ; v2(20.193,70.993) 22.352,73.152 25.146,73.152 27.432,75.438 27.432,76.454 32.766,81.788 36.703,81.788 37.592,82.677 37.592,83.693 42.672,88.773 42.672,93.091 45.212,95.631 v1(51.054,95.631)
TOCHARGER: D2.2 D3.2 P?.5 P?.6 | length 89.2
  Top Layer w0.5: D2.2 D3.2@23.367,109.092 ; v1(22.098,107.823) D3.2@23.367,109.092 ; D3.2 D3.2@23.367,109.092 ; v1(72.771,102.87) 72.771,100.965 80.01,93.726 P?.5 P?.6
  Bottom Layer w0.5: v1(22.098,107.823) 22.225,107.95 22.225,112.395 23.622,113.792 71.755,113.792 73.914,111.633 73.914,105.283 72.771,104.14 v1(72.771,102.87)
TX: Converter.4 OPi_RX.1 pad.10 pad.16 RPi_RX.1 | length 18.7
  Top Layer w0.3: OPi_RX.1 RPi_RX.1 22.606,93.853 25.654,96.901 v1(30.861,96.901)
  Bottom Layer w0.3: v1(30.861,96.901) 34.29,93.472 Converter.4
USBC_5V: D1.1 D2.1 J1.A4 J1.A9 J1.B4 J1.B9 | length 21.6
  Top Layer w0.3: D1.1@16.509,105.664 D1.1
  Top Layer w0.5: J1.B4@6.477,104.407 10.397,104.407 11.273,105.283 ; J1.A4@6.614,109.22 8.89,109.22 10.287,107.823 10.287,106.269 11.273,105.283 ; D1.1@16.509,105.664 16.128,105.283 11.273,105.283 ; D1.1 D2.1
pads on no net: 5V_Batt.2 5V_Batt.3 5V_Batt.SH1 5V_Batt.SH2 "12-24 to 5V.6" ARD1.1 ARD1.2 ARD1.3 ARD1.18 ARD1.28 Converter.2 Converter.3 Converter.6 J1. J1.A5 J1.A6 J1.A7 J1.A8 J1.B5 J1.B6 J1.B7 J1.B8 J1.S1 J1.S2 J1.S3 J1.S4 O_Pi.2 O_Pi.4 O_Pi.8 O_Pi.10 O_Pi.13 O_Pi.14 O_Pi.16 O_Pi.20 O_Pi.23 O_Pi.25 O_Pi.27 O_Pi.29 O_Pi.30 O_Pi.32 O_Pi.34 O_Pi.35 O_Pi.37 O_Pi.39 Rasp.2 Rasp.4 Rasp.6 Rasp.11 Rasp.12 Rasp.14 Rasp.16 Rasp.18 Rasp.21 Rasp.25 Rasp.27 Rasp.28 Rasp.31 Rasp.35 Rasp.37 Rasp.39
copper on no net: | length 0.1
  Top Layer w0.254: 22.479,58.928 22.479,59.055
  other v2: -2.032,57.277

## Polygon pours and split planes (outlines as drawn)
GND on Bottom Layer "Bottom Layer-No Net" (solid, pour order 2): 30.861,12.827 29.464,14.224 29.464,61.849 29.21,62.103 1.905,62.103 1.905,111.887 2.159,111.633 87.63,111.633 86.36,110.363 86.36,12.954

## Other copper
Top Layer:
  text "antenna" at -17.018,107.061 h0.7
  text "D_cptrd" at 2.159,56.642 h0.7
  text "Count" at 2.159,52.392 h0.7
  text "LowBatt" at 2.159,48.474 h0.7
  text "Tower" at 2.159,44.557 h0.7
  text "Power" at 2.159,40.64 h0.7
  text "www.virasad.ir" at 29.845,24.765 h3 r90
  text "MONITAIT_V1_MGh440302" at 26.035,20.32 h1.5 r90

## Silkscreen, mask and mechanical layers (free items; w line width, h text height)
Top Overlay:
  rectangle: -11.811,101.854 -0.762,111.506
  lines w0.254: 0,2 90,2 ; 0,113 90,113 ; 0.762,2.863 88.773,2.863 ; 0.762,2.921 0.762,61.976 88.773,61.976 88.773,2.921 ; -0.762,83.058 -0.762,101.346 36.195,101.346 36.195,83.058 -0.762,83.058 ; 0,62.865 0,82.55 40.132,82.55 40.132,62.865 0,62.865 ; 22.817,12.726 92.817,12.726 92.817,57.726 22.817,57.726 22.817,12.726
Mechanical 1:
  lines w0.254: 0,2.794 18.034,2.794 18.034,4.826 0,4.826 0,2.826 ; 1.016,35.941 17.399,35.941 17.399,58.928 ; 22.479,58.928 22.479,8.001 1.016,8.001 1.016,59.055 22.479,59.055 ; 0,0 90,0 90,115 0,115 0,0

## Text inside footprints (layer, text, board x,y; h text height)
D7: Top Overlay "Zener" at 46.228,87.503 h0.7; Top Overlay "1W" at 46.228,91.059 h0.7 r270
J1: Mechanical 13 "PCB Edge" at -0.123,108.877 h0.7 r270
O_Pi: Top Overlay "1" at 29.749,14.292 h0.7; Top Overlay "2" at 29.749,16.832 h0.7; Top Overlay "40" at 82.581,16.832 h0.7; Top Overlay "39" at 82.581,14.292 h0.7
P?: Top Overlay "7" at 76.27,92.444 h0.7 r180; Top Overlay "8" at 76.27,89.904 h0.7 r180; Top Overlay "1" at 86.79,92.444 h0.7 r180; Top Overlay "2" at 87.29,89.904 h0.7 r180
Rasp: Top Overlay "1" at 82.649,59.815 h0.7 r180; Top Overlay "2" at 82.649,57.275 h0.7 r180; Top Overlay "40" at 29.817,57.275 h0.7 r180; Top Overlay "39" at 29.817,59.815 h0.7 r180
Sens_In: Top Overlay "1 2 3 4" at 43.561,99.949 h0.7
Temp_Sns: Top Overlay "1 2 3" at 65.659,99.822 h0.7